# Allegro board trx_layout.brd (continued)
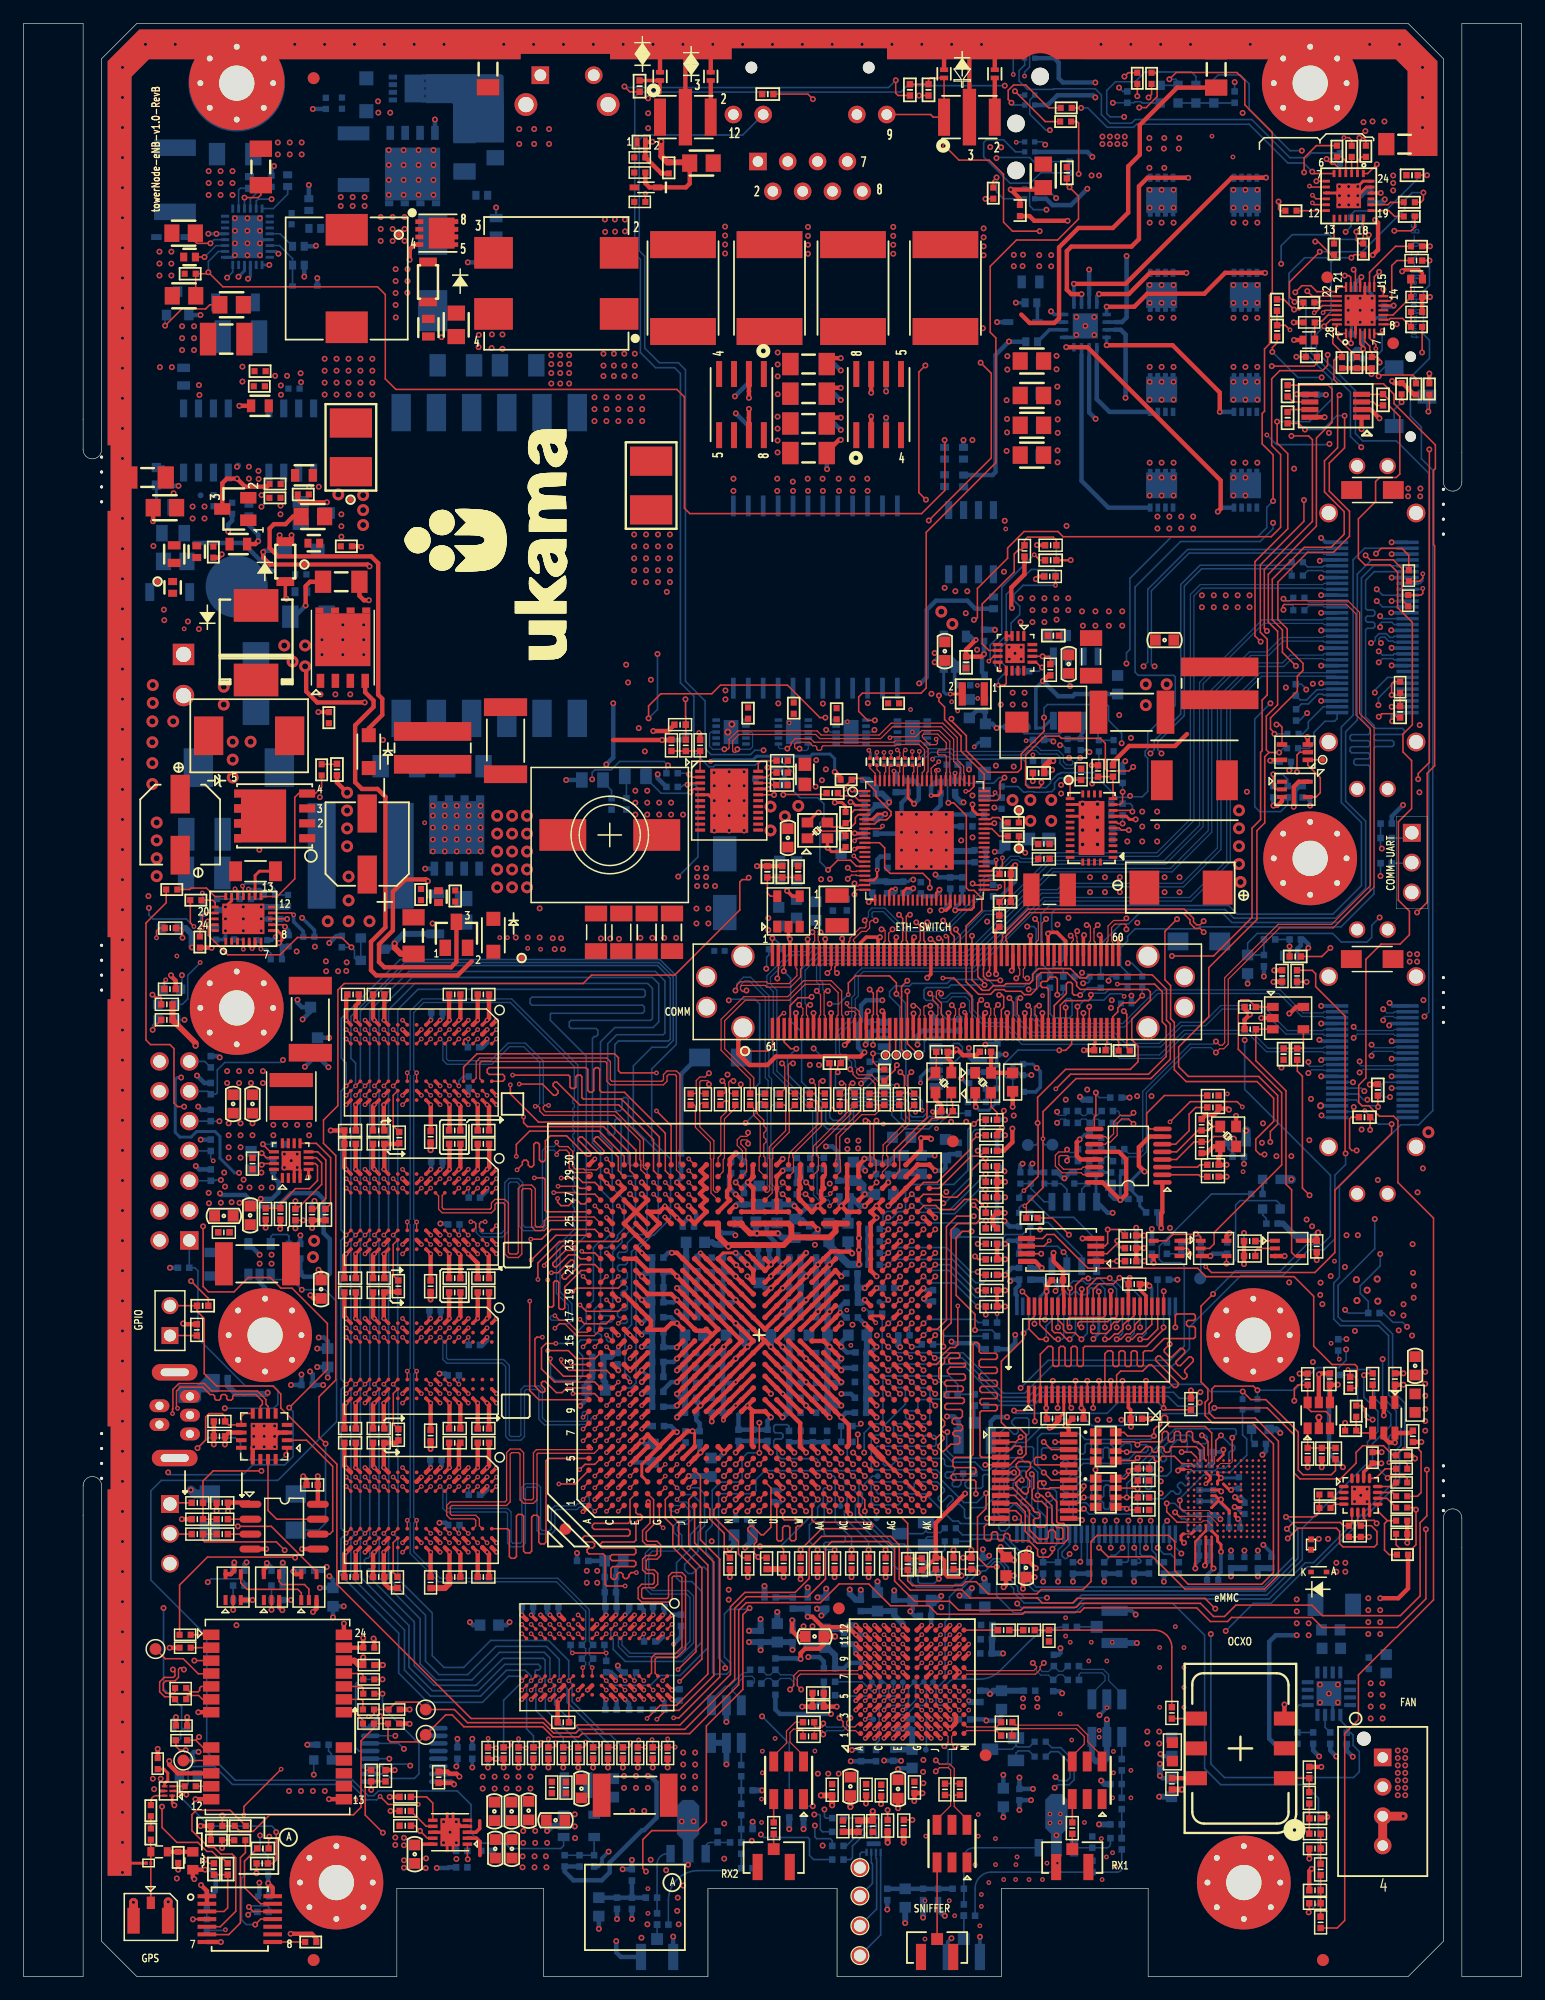
[diagram p0: board, top side]
## Routing (per net, layer and track width the routed paths; a pad name or vN(x,y) marks a point on that pad's centre or on a via; arc(x,y) is an arc through that point) (continued)
  BOTTOM w0.137: v1(90.12,54.26) 90.62,54.76 U64.41
7130_BOOT_AD20: length 42.8
  TOP w0.137: v1(77.67,42.61) U1.AK4 ; U22.41 89.12,58.56 v1(89.16,58.6)
  L3-SIGNAL w0.127: v1(92.12,55.27) 92.12,55.5 93.12,56.51 96.55,56.51 97.56,55.5 97.56,55.09 97.14,54.66 97.14,53.81 94.83,51.49 87.16,51.49 85.5,49.83 85.5,47.96 80.15,42.61 v1(77.67,42.61)
  BOTTOM w0.137: v1(89.16,58.6) 89.16,58.96 89.41,59.21 90.29,59.21 90.51,58.99 91.66,58.99 92.12,58.53 U64.44 v1(92.12,55.27)
7130_BOOT_AD21: length 42.8
  TOP w0.137: v1(90.7,59.44) 90.21,59.44 89.62,58.85 U22.40 ; v1(74.67,44.61) U1.AG6
  L6-SIGNAL w0.127: v1(93.12,55.27) 93.12,55.27 92.99,55.4 92.99,55.62 93.12,55.75 94.44,55.75 95.51,55.75 95.94,55.32 95.94,54.27 94.61,52.93 91.87,52.93 91.75,53.06 91.75,53.29 91.62,53.41 91.37,53.41 91.24,53.29 91.24,53.06 91.11,52.93 90.38,52.93 89.78,52.33 88.6,52.33 85.92,49.65 85.92,48.95 81.64,44.67 81.22,44.67 80.61,44.06 77.45,44.06 77.17,43.78 77.17,43.38 76.91,43.13 75.39,43.13 75.11,43.41 75.11,44.26 74.76,44.61 v1(74.67,44.61)
  BOTTOM w0.137: v1(90.7,59.44) 91.72,59.44 92.28,58.88 92.79,58.88 93.12,58.55 U64.46 v1(93.12,55.27)
7130_BOOT_AD22: length 42.8
  TOP w0.137: v1(76.67,43.61) U1.AJ5 ; v1(92.53,59.46) 91.44,59.46 90.62,58.64 U22.38
  L3-SIGNAL w0.127: v1(76.67,43.61) 77.02,43.61 77.14,43.74 77.14,44.76 77.65,45.27 79.5,45.27 80.45,46.21 80.95,46.21 81.43,45.74 81.61,45.74 82.09,46.21 82.1,46.21 83,47.12 83,47.71 83,49.34 83.18,49.52 83.46,49.52 83.65,49.32 83.83,49.32 84.01,49.5 84.01,49.68 83.77,49.92 83.77,50.1 84.95,51.29 85.17,51.29 85.47,50.98 85.62,50.98 85.83,51.19 85.83,51.34 85.51,51.66 85.51,51.84 85.82,52.16 94.56,52.16 95.98,53.59 95.98,55.72 95.86,55.85 93.68,55.85 93.55,55.72 93.55,55.4 93.68,55.27 v1(94.12,55.27)
  BOTTOM w0.137: v1(94.12,55.27) U64.48 94.12,58.05 92.94,59.23 92.76,59.23 v1(92.53,59.46)
7130_BOOT_AD23: length 42.8
  TOP w0.137: v1(75.67,44.61) U1.AH6 ; U22.37 91.12,58.49 91.61,58.98 92.85,58.98 v1(93.36,59.49)
  L3-SIGNAL w0.127: v1(95.12,55.27) 95.12,55.43 95.03,55.52 94.69,55.52 94.6,55.43 94.6,54.09 94.3,53.79 93.84,53.79 93.55,53.5 93.55,53.32 93.71,53.16 93.71,52.95 93.58,52.82 84.51,52.82 81.14,49.45 81.14,49.27 81.5,48.91 81.5,48.76 81.34,48.6 81.09,48.6 80.79,48.9 80.59,48.9 80.41,48.72 80.41,48.54 80.75,48.2 80.75,48.02 80.57,47.84 80.39,47.84 80.05,48.18 79.87,48.18 79.17,47.48 79.17,47.31 79.39,47.08 79.39,46.85 79.26,46.72 79.03,46.72 78.81,46.95 78.63,46.95 77.74,46.06 76.49,46.06 76.22,45.8 76.22,44.43 76.43,44.22 76.43,44 76.26,43.83 76.08,43.83 75.85,44.06 75.27,44.06 75.15,44.18 75.15,44.98 75.3,45.13 75.6,45.13 75.73,45.01 75.73,44.67 v1(75.67,44.61)
  BOTTOM w0.137: v1(95.12,55.27) U64.50 95.12,57.87 93.79,59.2 93.79,59.32 93.62,59.49 v1(93.36,59.49)
7130_BOOT_AD24: length 42.8
  TOP w0.137: v1(91.6,58.32) 91.62,58.29 U22.36 ; v1(73.67,45.61) U1.AF7
  L3-SIGNAL w0.127: v1(88.12,55.27) 88.21,55.36 88.21,56.18 88.34,56.31 88.5,56.31 88.62,56.43 88.62,56.96 88.42,57.16 86.37,57.16 86.24,57.29 86.24,58.1 86.11,58.23 85.86,58.23 85.73,58.1 85.73,57.29 85.61,57.16 85.35,57.16 85.23,57.04 85.23,56.86 85.34,56.74 86.15,56.74 86.15,56.74 87.67,56.74 87.81,56.6 87.81,55.62 87.65,55.46 87.65,55.41 86.94,54.7 86.94,54.7 86.68,54.44 86.68,54.44 86.39,54.15 82.44,54.15 81.74,53.45 79.62,53.45 78.44,52.28 78.44,49.72 77.78,49.06 73.49,49.06 73.22,48.79 73.22,45.74 73.35,45.61 v1(73.67,45.61)
  BOTTOM w0.137: v1(88.12,55.27) 88.12,55.87 U64.36 88.12,57.87 88.54,58.28 88.79,58.28 89,58.06 89.28,58.06 89.49,58.27 89.74,58.27 89.94,58.06 90.62,58.06 90.76,58.2 90.76,58.49 90.89,58.62 91.43,58.62 91.6,58.46 v1(91.6,58.32)
7130_BOOT_AD25: length 45.1
  TOP w0.137: v1(89.12,55.27) 89.06,55.27 88.92,55.41 88.92,55.97 89.06,56.11 91.97,56.11 92.12,56.26 U22.35 ; v1(77.67,43.61) U1.AK5
  L6-SIGNAL w0.127: v1(77.67,43.61) 80.63,43.61 80.74,43.73 80.75,43.73 81.36,44.34 81.94,44.34 89.27,51.67 89.28,51.67 89.28,51.67 90.36,51.67 90.49,51.8 90.49,52.38 90.63,52.51 90.88,52.51 91.01,52.39 91.01,51.8 91.13,51.67 91.37,51.67 91.5,51.8 91.5,52.44 91.63,52.57 91.88,52.57 92.01,52.44 92.01,51.8 92.14,51.67 92.4,51.67 92.54,51.82 92.54,52.43 92.67,52.56 92.92,52.56 93.05,52.43 93.05,51.8 93.18,51.67 95.51,51.67 96.34,52.51 96.34,55.4 95.66,56.08 89.51,56.08 89.12,55.69 v1(89.12,55.27)
  BOTTOM w0.137: U64.38 v1(89.12,55.27)
7130_BOOT_AD26: length 45.1
  TOP w0.137: U22.33 93.12,56.21 92.99,56.08 92.68,56.08 92.35,55.75 89.95,55.75 89.82,55.62 89.82,55.41 89.96,55.27 v1(90.12,55.27) ; v1(76.67,44.61) U1.AJ6
  L6-SIGNAL w0.127: v1(90.12,55.27) 90.46,55.27 90.66,55.07 90.66,54.86 90.54,54.73 89.88,54.73 89.56,54.41 89.56,53.47 89.2,53.11 87.48,53.11 87.35,52.98 87.35,52.5 87.22,52.37 86.97,52.37 86.84,52.5 86.84,52.84 86.57,53.11 85.54,53.11 84.22,51.79 84.22,51.61 84.77,51.07 84.77,50.89 84.57,50.69 84.39,50.69 83.63,51.45 83.45,51.45 83.27,51.27 83.27,51.09 84.03,50.33 84.03,50.15 83.85,49.97 83.67,49.97 82.8,50.84 82.62,50.84 82.44,50.66 82.44,50.48 83.18,49.74 83.18,49.56 83,49.38 82.83,49.38 82.08,50.12 81.9,50.12 81.72,49.94 81.72,49.76 82.47,49.02 82.47,48.84 82.29,48.66 82.11,48.66 81.37,49.4 81.19,49.4 81.01,49.22 81.01,49.04 81.75,48.3 81.75,48.12 81.56,47.93 81.38,47.93 80.61,48.7 80.43,48.7 80.25,48.52 80.25,48.34 81.02,47.57 81.02,47.39 80.77,47.15 80.59,47.15 79.82,47.92 79.64,47.92 79.48,47.76 79.48,47.54 80.38,46.64 80.38,46.46 80.28,46.36 80.09,46.36 79.74,46.71 79.56,46.71 79.32,46.48 79.32,46.3 79.58,46.04 79.58,45.86 79.33,45.62 77.37,45.62 76.67,44.92 v1(76.67,44.61)
  BOTTOM w0.137: U64.40 v1(90.12,55.27)
7130_BOOT_AD27: length 45.1
  TOP w0.137: U22.32 93.62,56.1 93.25,55.73 92.93,55.73 92.66,55.46 92.66,55.17 92.25,54.75 91.05,54.75 90.91,54.89 90.91,55.1 v1(91.09,55.27) ; v1(74.67,45.61) U1.AG7
  L6-SIGNAL w0.127: v1(91.09,55.27) 91.09,54.87 91.23,54.73 91.54,54.73 91.67,54.85 91.67,55.59 91.54,55.72 89.81,55.72 89.56,55.47 89.56,55.01 89.26,54.7 88.93,54.7 88.65,54.42 88.65,54.11 88.34,53.8 86.82,53.8 85.22,55.4 83.96,55.4 83.82,55.26 83.82,54.71 83.67,54.56 83.47,54.56 83.31,54.71 83.31,55.27 83.18,55.4 82.64,55.4 82.29,55.05 82.29,54.54 82.26,54.51 82.26,54.48 79.54,51.76 79.54,51.58 80.82,50.3 80.82,50.12 80.64,49.94 80.46,49.94 80.32,50.08 80.14,50.08 79.7,49.64 79.52,49.64 79.34,49.82 79.34,50 79.78,50.44 79.78,50.62 79.18,51.22 79,51.22 78.82,51.04 78.82,48.54 78.11,47.83 78.11,47.43 77.85,47.17 76.53,47.17 76.15,46.79 76.15,46.43 75.85,46.13 73.35,46.13 73.16,45.94 73.16,45.39 73.1,45.34 73.1,45.18 73.25,45.03 73.43,45.03 73.53,45.13 74.05,45.13 74.53,45.61 v1(74.67,45.61)
  BOTTOM w0.137: U64.42 91.12,55.3 v1(91.09,55.27)
7130_BOOT_AD28: length 49.2
  TOP w0.137: v1(77.67,44.61) U1.AK6 ; U22.30 94.62,56.29 94.16,55.83 94.02,55.83 93.66,55.47 93.66,55.13 93.25,54.71 92.94,54.71 92.48,54.26 v1(92.12,54.26)
  L3-SIGNAL w0.127: v1(92.12,54.26) 92.12,54.63 92.67,55.18 92.67,55.54 93.32,56.18 96.42,56.18 96.67,55.92 96.67,55.66 96.55,55.54 96.46,55.54 96.33,55.41 96.33,55.16 96.46,55.03 96.55,55.03 96.67,54.9 96.67,53.81 94.7,51.83 86.86,51.83 86.16,51.13 86.16,51.05 85.67,50.56 84.69,50.56 84.46,50.33 84.46,48.97 83.33,47.84 83.33,46.98 81.6,45.25 81.42,45.25 80.8,45.87 80.62,45.87 80.44,45.69 80.44,45.51 81.04,44.92 81.04,44.74 80.92,44.61 80.74,44.61 80.13,45.22 79.95,45.22 79.77,45.04 79.77,44.86 80.32,44.3 80.32,43.92 79.9,43.5 79.53,43.5 79.4,43.63 79.4,44.84 79.31,44.94 79.01,44.94 78.88,44.81 78.88,43.54 78.76,43.41 78.5,43.41 78.37,43.54 78.37,44.81 78.25,44.94 77.8,44.94 77.67,44.81 v1(77.67,44.61)
  BOTTOM w0.137: U64.45 92.62,55.08 92.12,54.58 v1(92.12,54.26)
7130_BOOT_AD29: length 49.2
  TOP w0.137: U22.29 95.12,55.95 94.66,55.5 94.66,55.11 94.26,54.71 93.93,54.71 93.47,54.26 v1(93.12,54.26) ; v1(75.67,45.61) U1.AH7
  L3-SIGNAL w0.127: v1(75.67,45.61) 75.64,45.61 75.56,45.69 75.56,45.87 76.11,46.43 76.11,46.94 76.33,47.16 77.85,47.16 78.11,47.43 78.11,47.92 78.5,48.3 78.68,48.3 78.99,47.99 79.17,47.99 79.62,48.44 79.62,48.61 79.31,48.93 79.31,49.11 79.49,49.29 79.67,49.29 79.98,48.97 80.16,48.97 80.45,49.26 80.45,49.44 80.2,49.68 79.93,49.68 79.88,49.63 79.7,49.63 79.57,49.76 79.57,49.94 79.67,50.04 79.67,50.22 79.43,50.45 79.43,50.77 79.52,50.86 79.7,50.86 80.75,49.81 80.94,49.81 81.07,49.94 81.07,50.13 79.61,51.59 79.61,51.77 79.81,51.98 79.99,51.98 81.49,50.47 81.69,50.47 81.86,50.64 81.86,50.82 80.51,52.17 80.51,52.35 80.62,52.46 80.96,52.46 82.23,51.19 82.41,51.19 82.61,51.39 82.61,51.57 82.03,52.15 82.03,52.33 82.16,52.46 82.27,52.46 82.35,52.46 82.91,51.9 83.09,51.9 83.26,52.07 83.26,52.25 82.75,52.76 82.75,52.94 82.93,53.12 83.11,53.12 83.62,52.62 83.81,52.62 84.16,52.97 84.19,52.97 84.37,53.15 90.87,53.15 91.02,53.3 91.02,53.72 91.12,53.83 91.4,53.83 91.53,53.7 91.53,53.28 91.65,53.15 93.08,53.15 93.22,53.29 93.22,53.63 93.64,54.06 93.64,54.35 93.5,54.49 93.25,54.49 93.12,54.36 v1(93.12,54.26)
  BOTTOM w0.137: v1(93.12,54.26) 93.48,54.62 93.62,54.76 U64.47
7130_BOOT_AD30: length 49.2
  TOP w0.137: U22.27 96.12,55.53 95.3,54.71 94.9,54.71 94.44,54.26 v1(94.12,54.26) ; U1.AF8 v1(73.67,46.61)
  L3-SIGNAL w0.127: v1(73.67,46.61) 73.99,46.61 74.11,46.74 74.11,47.71 74.57,48.16 77.89,48.16 79.1,49.38 79.1,51.76 80.14,52.79 82.13,52.79 82.82,53.48 90.07,53.48 90.56,53.98 90.56,57.2 90.87,57.5 95.54,57.5 95.67,57.37 95.67,57.04 95.54,56.91 91.72,56.91 91.6,56.78 91.6,54.15 91.68,54.07 91.68,54.07 91.94,53.81 91.94,53.81 91.96,53.79 92.31,53.79 92.68,54.16 92.68,54.68 92.81,54.82 93.98,54.82 94.12,54.68 v1(94.12,54.26)
  BOTTOM w0.137: U64.49 94.62,54.76 v1(94.12,54.26)
7130_BOOT_AD31: length 49.2
  TOP w0.137: v1(95.12,54.26) 95.75,54.26 96.62,55.12 U22.26 ; U1.AJ7 76.53,46.11 76.67,45.98 v1(76.67,45.61)
  L3-SIGNAL w0.127: v1(95.12,54.26) 94.93,54.44 94.93,54.68 95.06,54.81 95.53,54.81 95.65,54.68 95.65,53.72 95.14,53.21 94.96,53.21 94.68,53.5 94.5,53.5 94.32,53.32 94.32,53.14 94.6,52.85 94.6,52.67 94.42,52.49 85.69,52.49 85.29,52.1 85.11,52.1 84.78,52.43 84.6,52.43 84.35,52.18 84.35,52 84.68,51.67 84.68,51.49 84.46,51.27 84.28,51.27 83.94,51.61 83.76,51.61 83.58,51.43 83.58,51.25 83.92,50.91 83.92,50.73 83.74,50.55 83.56,50.55 83.22,50.89 83.04,50.89 82.86,50.71 82.86,50.53 83.2,50.19 83.2,50.01 83.02,49.83 82.84,49.83 82.5,50.17 82.32,50.17 81.77,49.62 81.77,49.45 81.89,49.33 82.07,49.33 82.37,49.64 82.55,49.64 82.65,49.55 82.65,49.37 82.38,49.1 82.38,48.84 82.61,48.6 82.61,48.42 82.48,48.28 82.3,48.28 81.98,48.6 81.8,48.6 81.64,48.43 81.64,48.25 82.56,47.33 82.56,47.15 82.44,47.02 82.26,47.02 81.33,47.95 81.15,47.95 81.02,47.82 81.02,47.64 81.94,46.73 81.94,46.52 81.68,46.27 81.5,46.27 80.25,47.51 80.03,47.74 79.89,47.74 79.67,47.51 79.67,47.37 80.31,46.73 80.31,46.54 79.9,46.13 79.7,46.13 79.44,46.39 79.26,46.39 79.13,46.26 79.13,45.94 78.83,45.63 77.52,45.63 76.96,45.07 76.67,45.07 76.56,45.19 76.56,45.5 v1(76.67,45.61)
  BOTTOM w0.137: v1(95.12,54.26) 95.62,54.76 U64.51
7130_BOOT_ALE: length 36.3
  TOP w0.137: v1(97.13,58.35) 97.12,58.33 U22.25 ; U22.48 85.62,57.79 v1(85.09,58.32) ; v1(77.67,49.61) U1.AK11
  L3-SIGNAL w0.127: v1(77.67,49.61) 78.11,50.06 78.11,52.48 79.56,53.93 81.57,53.93 82.53,54.88 83.94,54.88 84.3,55.24 85.35,55.24 85.88,54.71 86.48,54.71 86.8,55.03 86.8,55.03 87.31,55.54 87.31,55.6 87.46,55.75 87.46,56.2 87.27,56.4 87.2,56.4 87.19,56.41 86.01,56.41 84.95,56.41 84.76,56.61 84.76,57.98 v1(85.09,58.32)
  L6-SIGNAL w0.127: v1(85.09,58.32) 86.21,59.44 90,59.44 90.53,59.97 95,59.97 95.68,59.28 96.2,59.28 v1(97.13,58.35)
7130_BOOT_CE0: length 30.4
  TOP w0.137: v1(74.67,46.61) U1.AG8
  L3-SIGNAL w0.127: v1(74.67,46.61) 74.22,46.16 74.22,45.42 73.92,45.11 72.47,45.11 72.21,45.36 72.21,51.9 72.43,52.12 76.07,52.12 76.2,52.25 76.2,54.92 76.45,55.17 76.85,55.17 77.13,55.45 79.55,55.45 80.41,54.59 81.3,54.59 82.25,55.54 83.55,55.54 84.01,56 85.72,56 86.12,55.6 v1(86.12,55.58)
  BOTTOM w0.137: U64.32 86.12,55.59 86.14,55.58 v1(86.12,55.58)
7130_BOOT_CE1: length 55.4
  TOP w0.137: U27.2 84.53,45.51 v1(84.94,45.92) ; U1.AK7 77.51,45.77 77.7,45.77 78.04,46.11 78.23,46.11 78.41,45.94 78.41,45.74 77.9,45.24 77.9,45.04 78.21,44.73 78.39,44.73 78.85,45.18 78.86,45.18 79,45.32 79.63,45.32 79.76,45.46 79.76,45.87 79.63,46.01 79.32,46.01 79.18,46.15 79.18,46.3 79.34,46.46 79.84,46.46 79.99,46.61 79.99,46.87 79.84,47.02 79.25,47.02 79.12,47.16 79.12,47.38 79.28,47.55 79.83,47.55 79.98,47.7 79.98,48.14 79.84,48.28 78.62,48.28 78.48,48.42 78.48,48.63 78.64,48.79 80,48.79 80.14,48.92 80.14,49.14 80.01,49.28 78.59,49.28 78.45,49.41 78.45,49.62 78.64,49.8 79.92,49.8 80.06,49.94 80.06,50.14 79.92,50.27 78.6,50.27 78.46,50.41 78.46,50.6 78.62,50.76 80.1,50.76 80.23,50.9 80.23,51.16 80.1,51.3 78.84,51.3 78.7,51.44 78.7,51.66 78.93,51.89 80.14,51.89 80.25,52 80.25,52.16 80.2,52.22 78.93,52.22 78.82,52.32 78.82,52.5 78.96,52.63 79.62,52.63 79.76,52.77 79.76,52.95 79.62,53.09 78.94,53.09 78.46,52.61 78.46,52.27 77.97,51.78 77.97,50.95 78.18,50.74 78.18,47.54 78.47,47.25 78.47,46.93 78.18,46.64 78.18,46.54 78.38,46.34 78.77,46.34 78.77,46.36 v1(78.7,46.36)
  BOTTOM w0.137: v1(78.7,46.36) 78.77,46.36 78.77,46.34 78.64,46.21 78.64,44.8 79.3,44.15 82.76,44.15 83.16,44.54 83.16,44.87 83.29,45.01 83.62,45.01 83.76,45.15 83.76,45.39 83.62,45.53 83.29,45.53 83.16,45.67 83.16,46.25 83.63,46.72 83.82,46.72 84.37,46.18 84.56,46.18 84.73,46.35 84.73,46.54 84.19,47.09 84.19,47.28 84.46,47.56 85.5,47.56 85.64,47.42 85.64,46.23 85.33,45.92 v1(84.94,45.92)
7130_BOOT_CE5: length 17.3
  TOP w0.137: U27.3 84.11,44.86 84.42,45.17 84.89,45.17 85.03,45.03 85.03,44.79 84.89,44.65 v1(84.89,44.65)
  BOTTOM w0.137: v1(84.89,44.65) 84.89,44.97 85.03,45.11 85.91,45.11 86.04,44.97 86.04,43.96 85.85,43.77 85.31,43.77 84.91,44.17 83.8,44.17 83.59,43.96 83.59,43.77 83.73,43.62 83.73,43.43 83.56,43.26 83.36,43.26 83.22,43.4 83.03,43.4 82.73,43.1 82.73,41.61 82.6,41.49 82.42,41.49 82.3,41.61 82.3,42.59 82.15,42.74 81.85,42.74 81.71,42.6 81.71,41.71 81.57,41.57 80.42,41.57 80.21,41.78 80.21,42.03 R417.1
7130_BOOT_OE: length 18.9
  TOP w0.137: U1.AJ11 v1(76.67,49.61)
  L3-SIGNAL w0.127: v1(76.67,49.61) 77.14,50.08 77.14,54.84 77.36,55.06 79.48,55.06 80.28,54.26 81.43,54.26 82.39,55.21 83.75,55.21 84.19,55.65 84.91,55.65 85.41,55.65 86.02,55.04 86.34,55.04 86.66,55.36 86.66,55.36 86.98,55.68 86.98,55.74 87.02,55.77 v1(87.02,55.93)
  BOTTOM w0.137: v1(87.02,55.93) 87.12,56.03 U64.34
7130_BOOT_WAIT: length 40.9
  TOP w0.137: v1(75.67,49.61) U1.AH11
  L6-SIGNAL w0.127: v1(75.67,49.61) 75.44,49.39 75.35,49.39 75.02,49.06 71.79,49.06 69.8,47.07 69.61,47.07 69.14,46.61 69.14,43.41 69.44,43.1 69.93,43.1 70.18,42.85 70.18,42.47 70.49,42.17 70.92,42.17 71.22,41.86 71.22,41.3 72.46,40.06 72.85,40.06 73.11,39.8 73.11,38.98 74.57,37.52 89.43,37.52 90.03,36.92 90.03,36.73 90.06,36.69 90.06,36.32 90.03,36.29 v1(90.03,35.32)
  BOTTOM w0.137: U64.17 90.12,35.41 v1(90.03,35.32) 89.98,35.27 R432.1
7130_BOOT_WE: length 47.8
  TOP w0.137: U1.AG11 v1(74.67,49.61)
  L6-SIGNAL w0.127: v1(92.12,38.82) 90.74,37.44 90.74,35.23 90.32,34.81 90.17,34.81 89.86,34.49 89.08,34.49 88.42,35.15 88.42,36.79 88.03,37.19 74.32,37.19 72.18,39.33 72.18,39.73 72.11,39.8 70.85,41.06 70.55,41.06 70.22,41.39 70.22,41.79 69.93,42.09 68.43,42.09 68.15,42.37 68.15,44.93 67.72,45.36 67.72,48.67 69.13,50.07 73.94,50.07 74.4,49.61 v1(74.67,49.61)
  BOTTOM w0.137: U64.13 v1(92.12,38.82)
7130_CE: length 91.3
  TOP w0.137: v1(76.67,47.61) U1.AJ9
  L3-SIGNAL w0.127: v1(76.67,47.61) 76.32,47.61 75.87,47.17 75.6,47.17 75.11,46.69 75.11,45.43 74.74,45.06 74.49,45.06 74.22,44.8 74.22,44.54 73.85,44.17 73.43,44.17 72.82,44.78 72.33,44.78 71.88,45.23 71.88,54.97 72.16,55.25 72.16,64.41 72.04,64.53 70.99,64.53 70.86,64.41 70.86,63.5 70.73,63.38 70.48,63.38 70.35,63.5 70.35,64.41 70.23,64.53 69.44,64.53 69.31,64.66 69.31,64.91 69.44,65.04 72.04,65.04 72.16,65.17 72.16,69.07 72.22,69.12 72.72,69.63 72.72,69.84 75.47,72.59 75.47,72.59 75.52,72.63 75.52,73.53 75.53,73.55 75.53,73.73 75.94,74.14 77.57,74.14 78.05,73.66 79.44,73.66 80.3,72.8 80.3,72.79 v1(80.31,72.78)
  L6-SIGNAL w0.127: v1(90.17,85.47) 89.45,86.19 88.74,86.19 88.61,86.07 88.61,85.57 88.74,85.45 89.5,85.45 89.62,85.32 89.62,85.06 89.5,84.94 88.74,84.94 88.61,84.81 88.61,84.18 88.48,84.06 88.23,84.06 88.1,84.18 88.1,86.03 87.98,86.16 81.36,86.16 80.48,85.29 80.48,82.69 80.59,82.58 80.59,81.54 81.46,80.67 81.46,76.38 81.59,76.25 82,76.25 82.13,76.38 82.13,77.31 82.25,77.44 82.51,77.44 82.63,77.31 82.63,76.38 82.76,76.25 83.49,76.25 83.62,76.13 83.62,75.87 83.49,75.74 81.99,75.74 81.87,75.62 81.87,75.36 81.99,75.24 83.49,75.24 83.62,75.11 83.62,74.86 83.49,74.73 81.99,74.73 81.87,74.6 81.87,73.32 81.74,73.19 80.43,73.19 80.31,73.06 v1(80.31,72.78)
  BOTTOM w0.137: R306.1 90.04,85.14 90.17,85.28 v1(90.17,85.47)
7130_CORE_PLL_VDD33: length 4.7
  TOP w0.381: U1.AD27 v1(71.67,66.61)
  BOTTOM w0.508: C261.1 71.69,66.59 v1(71.67,66.61) 71.55,66.73 71.55,67.4 71.18,67.77 L22.1 70.68,67.77 C259.1
7130_DDR3_A0: length 162.8
  TOP w0.119: R221.1 46.58,19.51 v2(46.62,19.47)
  TOP w0.137: v2(29.89,67.13) 30.29,66.73 U15.N3 ; U11.N3 30.29,79.43 v2(29.89,79.83) ; v2(46.79,58.32) 47.09,58.61 50.67,58.61 U1.D20 ; U35.N3 v2(44.84,29.18) ; U23.N3 30.29,54.03 v2(29.89,54.43) ; v2(29.89,41.73) 30.29,41.33 U30.N3
  L6-SIGNAL w0.127: v2(46.79,58.32) 46.93,58.18 46.93,55.75 46.85,55.66 46.64,55.66 46.55,55.75 46.55,57.76 46.43,57.89 46.24,57.89 46.11,57.76 46.11,56.3 45.98,56.17 45.85,56.17 45.73,56.3 45.73,62.72 46.51,63.5 48.73,63.5 49.19,63.05 50.15,63.05 50.53,63.43 57.31,63.43 58.68,64.8 58.68,71.2 58,71.88 53.73,71.88 44.97,80.65 44.97,81.64 42.45,84.15 42.27,84.15 42.2,84.08 42.2,83.9 44.48,81.62 44.48,81.44 44.42,81.37 44.24,81.37 41.37,84.24 32.33,84.24 30.28,82.2 30.28,80.22 29.89,79.83 v2(29.89,79.83) 30.28,79.43 30.28,67.52 29.89,67.13 v2(29.89,67.13) 30.28,66.73 30.28,54.82 29.89,54.43 v2(29.89,54.43) 30.27,54.05 30.27,42.11 29.89,41.73 v2(29.89,41.73) 30.28,41.34 30.28,35.81 33.09,33 44.33,33 45.26,32.07 45.26,29.59 v2(44.84,29.18) 45.22,28.81 45.22,21.63 46.62,20.23 v2(46.62,19.47)
7130_DDR3_A1: length 158.1
  TOP w0.137: v2(50.67,55.61) U1.D17 ; U11.P7 v2(29.09,75.83) ; U30.P7 v2(29.09,37.73) ; U15.P7 v2(29.09,63.13) ; U35.P7 v2(44.04,25.19) ; U23.P7 v2(29.09,50.43)
  BOTTOM w0.137: R459.1 45.98,20.32 43.64,22.65 43.64,24.79 43.74,24.88 v2(44.04,25.19) 44.04,25.48 43.89,25.63 43.66,25.63 43.59,25.71 43.59,26.01 43.67,26.09 43.9,26.09 44.04,26.24 44.04,26.4 43.86,26.58 41,26.58 38.76,24.34 34.83,24.34 32.84,26.33 32.84,29.89 28.7,34.03 28.7,37.33 v2(29.09,37.73) 28.7,38.12 28.7,50.03 v2(29.09,50.43) 28.7,50.82 28.7,62.73 v2(29.09,63.13) 28.7,63.52 28.7,75.43 v2(29.09,75.83) 28.7,76.22 28.7,82.2 32.58,86.08 54.01,86.08 55.1,84.99 55.1,79.81 54.95,79.66 50.68,79.66 50.38,79.35 50.38,73.87 50.53,73.71 50.83,73.71 50.99,73.87 50.99,74.69 51.14,74.84 51.37,74.84 51.52,74.69 51.52,69.22 51.67,69.07 52.97,69.07 53.12,68.91 53.12,63.5 52.79,63.17 52.15,63.17 51.44,62.46 51.44,61.83 51.29,61.67 50.76,61.67 50.6,61.52 50.6,61.29 50.76,61.14 51.29,61.14 51.44,60.99 51.44,60.76 51.29,60.61 50.76,60.61 50.6,60.45 50.6,60.23 50.76,60.07 51.29,60.07 51.44,59.92 51.44,59.5 51.31,59.36 51.05,59.36 50.91,59.22 50.91,59.01 51.06,58.85 51.29,58.85 51.44,58.7 51.44,58.55 51.29,58.4 51.06,58.4 50.91,58.24 50.91,58.02 51.06,57.86 51.29,57.86 51.44,57.71 51.44,56.87 51.29,56.72 50.76,56.72 50.6,56.57 50.6,56.26 50.76,56.11 51.29,56.11 51.44,55.96 51.44,55.76 51.29,55.61 v2(50.67,55.61)
7130_DDR3_A2: length 162.4
  TOP w0.119: R220.1 45.22,19.51 45.34,19.63 v2(45.34,19.91)
  TOP w0.137: U30.P3 29.49,41.33 v2(29.09,41.73) ; v2(29.09,54.43) 29.49,54.03 U23.P3 ; v2(29.09,67.13) 29.49,66.73 U15.P3 ; v2(29.09,79.83) 29.49,79.43 U11.P3 ; v2(47.4,57.18) 47.94,56.64 50.7,56.64 U1.D18 ; U35.P3 v2(44.04,29.18)
  L6-SIGNAL w0.127: v2(45.34,19.91) 45.33,19.92 45.33,20.81 44.46,21.63 44.46,28.77 v2(44.04,29.18) 44.46,29.6 44.46,31.66 43.63,32.49 32.84,32.49 29.5,35.82 29.5,41.31 v2(29.09,41.73) 29.09,41.73 29.5,42.13 29.5,54.02 v2(29.09,54.43) 29.09,54.43 29.5,54.83 29.5,65.92 29.09,66.32 v2(29.09,67.13) 29.48,67.52 29.48,79.43 v2(29.09,79.83) 29.09,79.83 29.48,80.22 29.48,82.34 31.88,84.75 42.43,84.75 49.93,77.25 50.62,76.55 50.62,76.37 50.55,76.3 50.37,76.3 49.42,77.25 45.63,81.04 45.45,81.04 45.37,80.96 45.37,80.78 48.9,77.25 49.1,77.04 53.96,72.19 58.15,72.19 58.99,71.35 58.99,64.57 57.54,63.12 50.76,63.12 50.38,62.74 49,62.74 48.62,63.12 46.71,63.12 46.03,62.45 46.03,59.84 47.4,58.47 v2(47.4,57.18)
7130_DDR3_A3: length 165.9
  TOP w0.119: R224.1 50.4,19.51 v2(50.43,19.54)
  TOP w0.137: U23.N2 v2(29.89,55.23) ; U30.N2 v2(29.89,42.53) ; U11.N2 v2(29.89,80.63) ; U1.D14 v2(51.67,53.61) ; U35.N2 v2(44.84,29.98) ; U15.N2 v2(29.89,67.93)
  L3-SIGNAL w0.127: v2(50.43,19.54) 49.74,20.22 49.33,20.22 48.63,20.92 47.62,20.92 45.24,23.29 U35.N2 v2(44.84,29.98) 45.22,30.36 45.22,31.22 43.44,33 31.86,33 30.28,34.57 30.28,42.13 v2(29.89,42.53) 30.27,42.91 30.27,54.85 v2(29.89,55.23) 30.28,55.62 30.28,67.54 v2(29.89,67.93) 30.28,68.32 30.28,80.23 v2(29.89,80.63) 30.28,81.02 30.28,82.5 32.09,84.31 44.46,84.31 49.96,78.81 49.96,78.63 49.75,78.43 49.57,78.43 44.29,83.71 44.11,83.71 43.85,83.44 43.85,83.26 49.86,77.25 52.33,74.78 52.33,72.3 54.19,70.45 54.19,65.48 50.87,62.17 50.87,60.64 50.15,59.92 50.15,57.13 50.27,57 51.04,57 51.17,56.87 51.17,56.62 51.04,56.49 50.27,56.49 50.15,56.37 50.15,55.29 50.02,55.16 49.79,55.16 49.66,55.29 49.66,56.81 49.54,56.94 49.28,56.94 49.16,56.81 49.16,54.65 49.03,54.52 48.33,54.52 48.2,54.4 48.2,52.3 48.33,52.17 48.65,52.17 48.78,52.3 48.78,52.94 48.9,53.06 49.16,53.06 49.28,52.94 49.28,52.3 49.41,52.17 49.66,52.17 49.79,52.3 49.79,52.94 49.92,53.06 51.12,53.06 v2(51.67,53.61)
7130_DDR3_A4: length 157.6
  TOP w0.137: v2(49.67,54.61) U1.C15 ; U23.P8 v2(29.09,49.63) ; U11.P8 v2(29.09,75.03) ; U35.P8 v2(44.04,24.38) ; U15.P8 v2(29.09,62.33) ; U30.P8 v2(29.09,36.93)
  BOTTOM w0.137: R458.1 47.25,19.96 44.46,22.75 44.46,23.97 v2(44.04,24.38) 44.43,24.77 44.43,26.94 44.28,27.09 40.85,27.09 38.55,24.79 34.98,24.79 33.29,26.48 33.29,30.19 29.24,34.24 29.24,34.55 29.4,34.7 29.8,34.7 29.95,34.85 29.95,35 29.8,35.16 29.19,35.16 29.04,35.31 29.04,35.46 29.19,35.61 29.34,35.61 29.5,35.77 29.5,36.52 v2(29.09,36.93) 29.5,37.33 29.5,49.22 v2(29.09,49.63) 29.5,50.03 29.5,61.92 29.38,62.04 v2(29.09,62.33) 29.5,62.73 29.5,74.62 v2(29.09,75.03) 29.5,75.43 29.5,82.24 32.84,85.58 53.83,85.58 54.64,84.76 54.64,80.34 54.49,80.19 50.53,80.19 49.77,79.43 49.77,71.81 49.92,71.66 50.22,71.66 50.38,71.81 50.38,72.91 50.53,73.06 50.76,73.06 50.91,72.91 50.91,68.3 51.06,68.15 51.98,68.15 52.13,68 52.13,63.97 50.99,62.83 50.99,62.51 50.19,61.72 50.19,56.93 50.04,56.78 49.23,56.78 49.08,56.62 49.08,56.42 49.23,56.26 50.04,56.26 50.19,56.11 50.19,55.88 50.04,55.73 49.23,55.73 49.08,55.58 49.08,55.35 49.23,55.2 50.04,55.2 50.19,55.04 50.19,54.21 50.04,54.05 49.82,54.05 49.67,54.21 v2(49.67,54.61)
7130_DDR3_A5: length 162.7
  TOP w0.137: U11.P2 v2(29.09,80.63) ; U23.P2 v2(29.09,55.23) ; U35.P2 v2(44.04,29.98) ; U30.P2 v2(29.09,42.53) ; U15.P2 v2(29.09,67.93) ; U1.B15 v2(48.67,53.61)
  L3-SIGNAL w0.127: v2(44.71,20.23) 43.63,21.31 43.63,29.57 v2(44.04,29.98) 43.67,30.36 43.67,31.12 42.81,31.98 30.65,31.98 28.71,33.93 28.71,42.14 v2(29.09,42.53) 28.7,42.92 28.7,54.83 v2(29.09,55.23) 28.7,55.62 28.7,67.53 v2(29.09,67.93) 28.7,68.32 28.7,80.23 v2(29.09,80.63) 28.68,81.04 28.68,82.35 31.78,85.45 48.2,85.45 54.46,79.19 54.46,77.94 54.33,77.81 54.05,77.81 53.92,77.94 53.92,78.97 48.1,84.79 47.92,84.79 47.72,84.59 47.72,84.41 53.28,78.84 53.28,72.88 56.17,69.99 56.17,64.42 55.93,64.18 53.94,64.18 51.82,62.05 51.82,55.65 51.21,55.04 51.21,54.51 50.76,54.05 49.11,54.05 v2(48.67,53.61)
  BOTTOM w0.127: R460.1 v2(44.71,20.23)
7130_DDR3_A6: length 157.5
  TOP w0.119: R219.1 43.98,19.51 44.1,19.63 v2(44.1,19.94)
  TOP w0.137: U1.C14 v2(49.67,53.61) ; U23.R8 v2(28.29,49.63) ; U11.R8 v2(28.29,75.03) ; U35.R8 v2(43.24,24.38) ; U30.R8 v2(28.29,36.93) ; v2(28.29,62.33) U15.R8
  L6-SIGNAL w0.127: v2(49.67,53.61) 47.81,51.75 45.87,51.75 45.35,52.27 45.35,52.87 47.95,55.48 47.95,58.54 46.34,60.15 46.34,62.25 46.91,62.82 48.39,62.82 48.78,62.44 50.6,62.44 50.99,62.82 57.69,62.82 59.29,64.42 59.29,71.66 58.39,72.56 54.05,72.56 51.1,75.5 51.1,76.64 42.48,85.26 31.64,85.26 28.7,82.31 28.7,75.43 v2(28.29,75.03) 28.68,74.64 28.68,62.71 v2(28.29,62.33) 28.68,61.94 28.68,50.01 v2(28.29,49.63) 28.69,49.22 28.69,37.33 v2(28.29,36.93) 28.69,36.53 28.69,35.81 32.52,31.98 42.82,31.98 43.63,31.17 43.63,24.77 v2(43.24,24.38) 43.63,24 43.63,20.4 v2(44.1,19.94)
